# KiCad board AudioYM2151V2.kicad_pcb (continued)
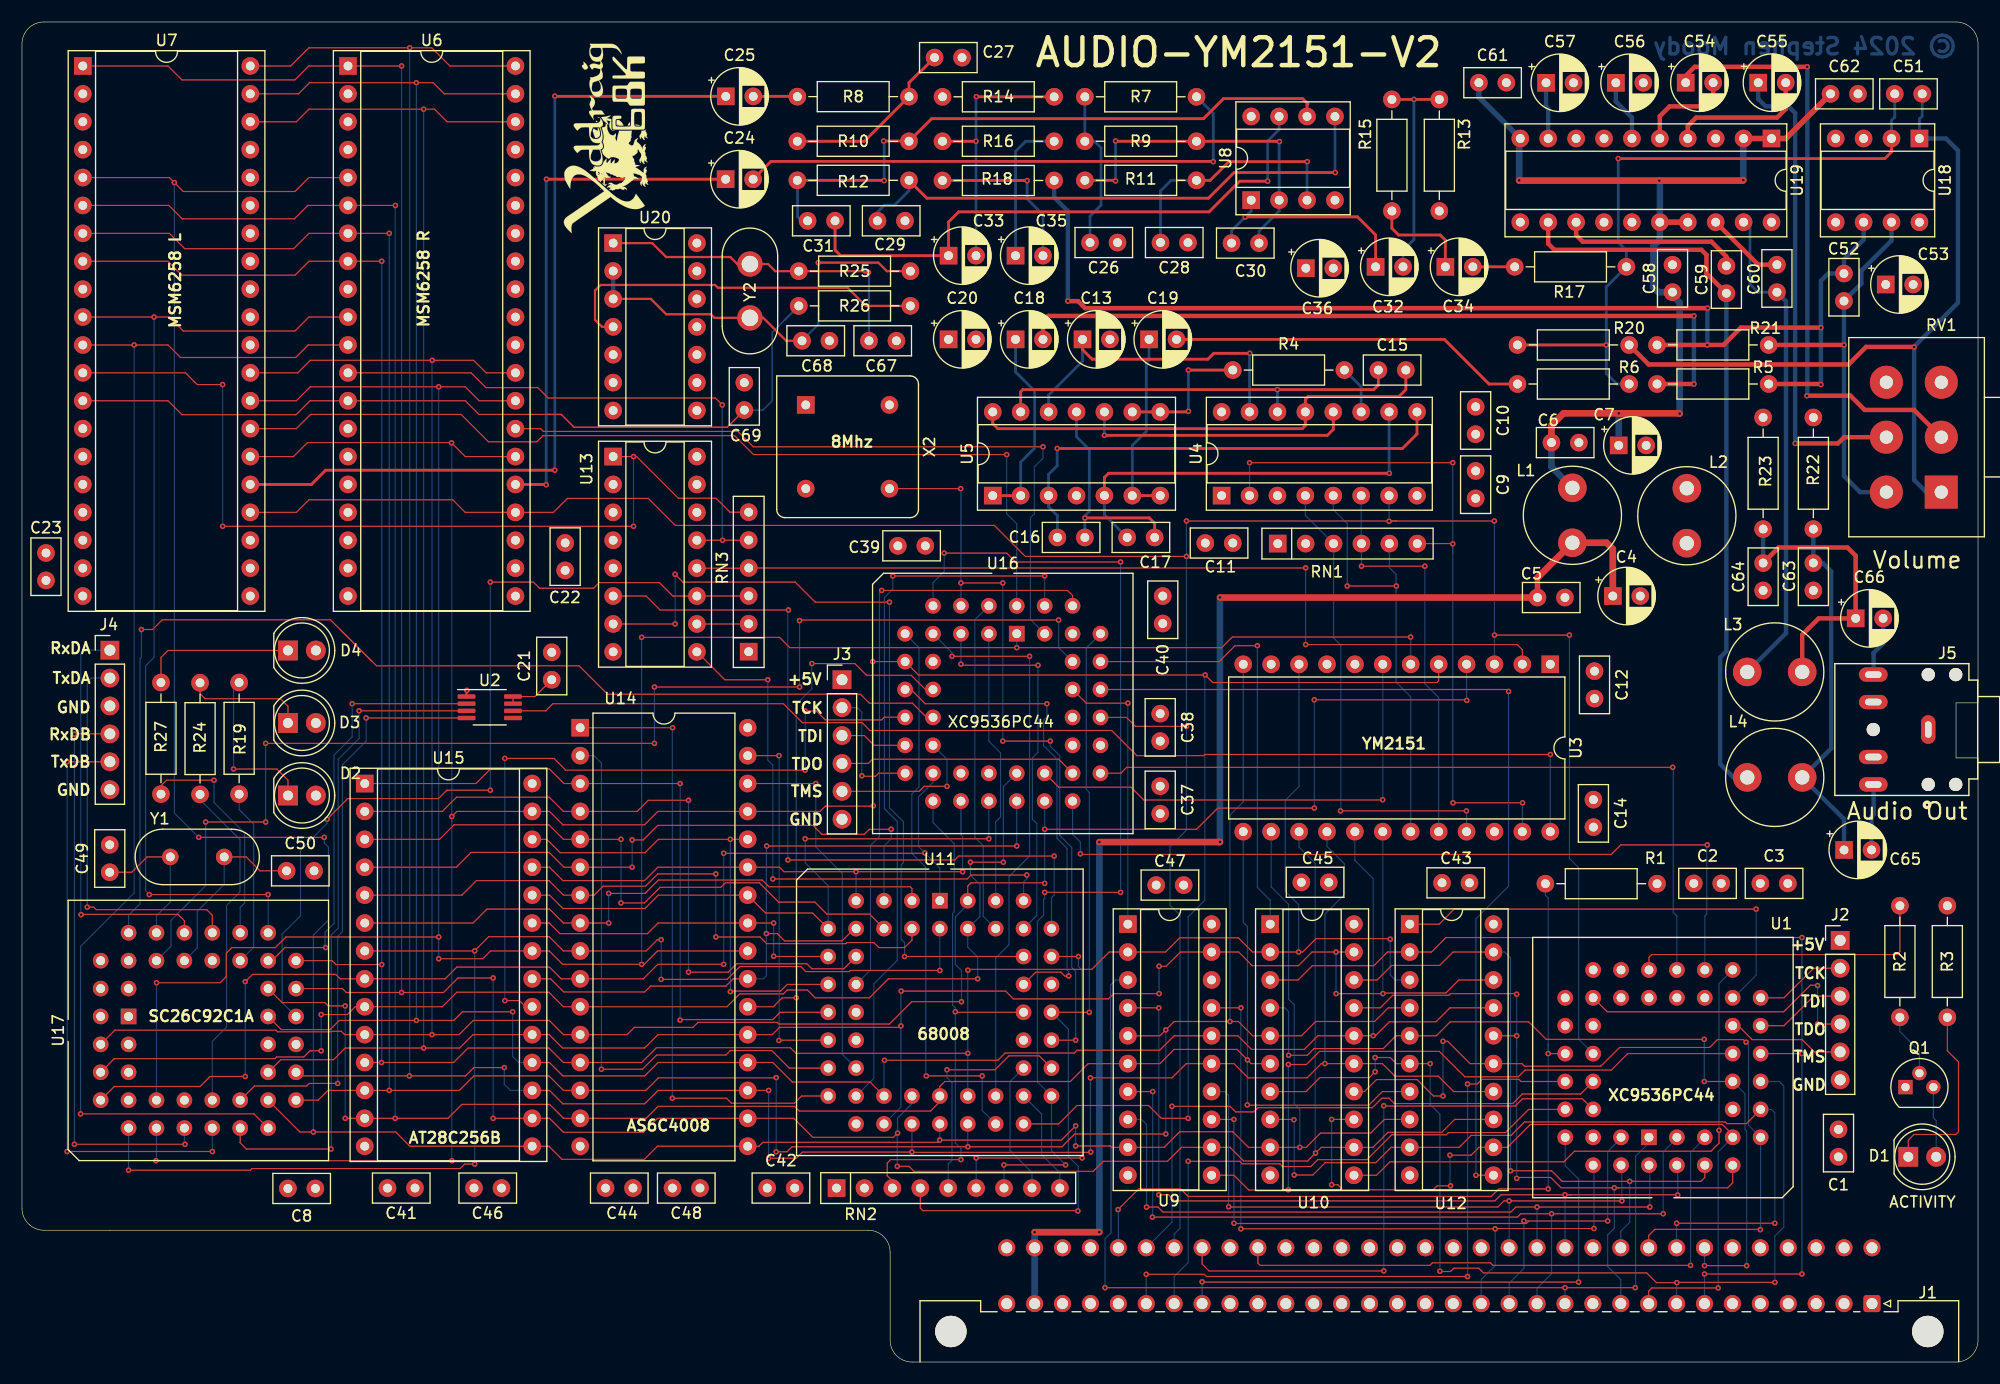
[diagram p0: board, top side]
## Nets
+5V: C1.1 C2.1 C3.1 C8.1 C9.1 C10.1 C11.1 C12.1 C14.1 C20.1 C21.1 C22.1 C23.1 C36.1 C37.1 C38.1 C39.1 C40.1 C41.1 C42.1 C43.1 C44.1 C45.1 C46.1 C47.1 C48.1 C53.1 D2.2 D3.2 D4.2 J1.A1 J1.A24 J1.C1 J2.1 J3.1 Q1.1 R1.2 RN1.1 RN2.1 RN3.1 U1.21 U1.32 U1.41 U2.7 U2.8 U3.22 U4.1 U5.4 U6.15 U6.20 U6.32 U6.34 U6.37 U7.15 U7.20 U7.32 U7.34 U7.37 U8.8 U9.20 U10.20 U11.15 U12.20 U13.2 U13.3 U13.4 U13.16 U14.32 U15.28 U16.21 U16.32 U16.41 U17.44 U18.8 U20.14 X2.1 X2.8
+12V: C4.1 C5.1 J1.A31 J1.C31 L1.2
+12VA: C6.1 C7.1 C58.1 C61.1 C62.1 L1.1 U19.1 U19.2 U19.10 U19.16 U19.17
GND: C1.2 C2.2 C3.2 C4.2 C5.2 C8.2 C11.2 C12.2 C14.2 C21.2 C22.2 C23.2 C37.2 C38.2 C39.2 C40.2 C41.2 C42.2 C43.2 C44.2 C45.2 C46.2 C47.2 C48.2 C49.2 C50.2 C67.2 C68.2 C69.2 J1.A2 J1.A11 J1.A32 J1.C11 J1.C24 J1.C29 J1.C32 J2.6 J3.6 J4.3 J4.6 L2.2 R3.2 U1.10 U1.23 U1.31 U2.1 U3.1 U3.11 U4.3 U6.4 U6.9 U6.16 U6.17 U6.18 U6.30 U6.33 U6.36 U7.4 U7.9 U7.16 U7.17 U7.18 U7.30 U7.33 U7.36 U9.10 U9.18 U10.10 U11.17 U11.39 U12.10 U13.5 U13.8 U14.16 U15.14 U16.10 U16.23 U16.31 U17.22 U20.5 U20.7 U20.9 U20.11 U20.13 X2.4
GNDA: C6.2 C7.2 C9.2 C10.2 C13.2 C16.1 C17.1 C20.2 C26.2 C27.2 C28.2 C29.2 C36.2 C53.2 C56.2 C57.2 C58.2 C61.2 C62.2 C63.1 C64.1 J5.1 L2.1 R13.1 R14.1 R22.2 R23.2 RV1.3 RV1.6 U4.8 U4.16 U5.11 U8.4 U18.3 U18.4 U18.5 U19.3 U19.7 U19.8 U19.11 U19.14 U19.15 U19.20
/A1: J1.A12 U1.1 U9.3
/A2: J1.C12 U1.2 U9.4
/A3: J1.A13 U1.3 U9.7
/A4: J1.C13 U1.44 U9.8
/A5: J1.A14 U1.43 U9.13
/A6: J1.C14 U1.42 U9.14
/A7: J1.A15 U1.40 U9.17
/Audio/Amplifier/MSM_AUDIO_L: C52.1 R5.2 R18.2 R21.1 U18.6
/Audio/Amplifier/MSM_AUDIO_R: C51.1 R6.2 R17.2 R20.1 U18.2
/Audio/CPU/CLK_8MHZ: U11.38 U16.4 X2.5
/Audio/CPU/CPU_A0: U3.4 U6.29 U7.29 U11.51 U14.12 U15.10 U16.26 U17.2
/Audio/CPU/CPU_A1: U11.52 U14.11 U15.9 U16.25 U17.4
/Audio/CPU/CPU_A2: U11.1 U14.10 U15.8 U16.19 U17.6
/Audio/CPU/CPU_A3: U11.2 U14.9 U15.7 U17.7
/Audio/CPU/CPU_A4: U11.3 U14.8 U15.6
/Audio/CPU/CPU_A5: U11.4 U14.7 U15.5
/Audio/CPU/CPU_A6: U11.5 U14.6 U15.4
/Audio/CPU/CPU_A7: U11.6 U14.5 U15.3
/Audio/CPU/CPU_A8: U11.7 U14.27 U15.25 U16.20
/Audio/CPU/CPU_A9: U11.8 U14.26 U15.24 U16.22
/Audio/CPU/CPU_A10: U11.9 U14.23 U15.21 U16.24
/Audio/CPU/CPU_A11: U11.10 U14.25 U15.23
/Audio/CPU/CPU_A12: U11.11 U14.4 U15.2
/Audio/CPU/CPU_A13: U11.12 U14.28 U15.26
/Audio/CPU/CPU_A14: U11.14 U14.3 U15.1
/Audio/CPU/CPU_A15: U11.16 U14.31
/Audio/CPU/CPU_A16: U11.18 U14.2
/Audio/CPU/CPU_A17: U11.19 U14.30
/Audio/CPU/CPU_A18: U11.20 U14.1
/Audio/CPU/CPU_A20: U11.22 U16.42
/Audio/CPU/CPU_A21: U11.13 U16.40
/Audio/CPU/CPU_D0: U3.10 U6.8 U7.8 U9.2 U10.2 U11.30 U12.3 U14.13 U15.11 U17.28
/Audio/CPU/CPU_D1: U3.12 U6.7 U7.7 U9.5 U10.5 U11.29 U12.4 U14.14 U15.12 U17.18
/Audio/CPU/CPU_D2: U3.13 U6.6 U7.6 U9.6 U10.6 U11.28 U12.7 U14.15 U15.13 U17.27
/Audio/CPU/CPU_D3: U3.14 U6.5 U7.5 U9.9 U10.9 U11.27 U12.8 U14.17 U15.15 U17.19
/Audio/CPU/CPU_D4: U3.15 U6.1 U7.1 U9.12 U10.12 U11.26 U12.13 U14.18 U15.16 U17.26
/Audio/CPU/CPU_D5: U3.16 U6.40 U7.40 U9.15 U10.15 U11.25 U12.14 U14.19 U15.17 U17.20
/Audio/CPU/CPU_D6: U3.17 U6.39 U7.39 U9.16 U10.16 U11.24 U12.17 U14.20 U15.18 U17.25
/Audio/CPU/CPU_D7: U3.18 U6.38 U7.38 U9.19 U10.19 U11.23 U12.18 U14.21 U15.19 U17.21
/Audio/CPU/FC0: U11.50 U16.2
/Audio/CPU/FC1: U11.49 U16.3
/Audio/CPU/FC2: U11.48 U16.5
/Audio/CPU/LATCH_STATUS: U12.11 U16.35
/Audio/CPU/MSMSAM1: U6.10 U7.10 U17.29
/Audio/CPU/MSMSAM2: U6.11 U7.11 U17.17
/Audio/CPU/RESET: U16.38 U17.38
/Audio/CPU/SPI_CLK: U2.3 U17.15
/Audio/CPU/SPI_MOSI: U2.2 U17.30
/Audio/CPU/~{AS}: U11.31 U16.7
/Audio/CPU/~{CS_DUART}: U16.14 U17.39
/Audio/CPU/~{CS_MSM_L}: U7.27 U16.44
/Audio/CPU/~{CS_MSM_R}: U6.27 U16.43
/Audio/CPU/~{CS_ROM}: U15.20 U16.13
/Audio/CPU/~{CS_SRAM}: U14.22 U16.12
/Audio/CPU/~{CS_YM2151}: U3.7 U16.27
/Audio/CPU/~{DS}: U11.32 U16.8
/Audio/CPU/~{DTACK}: RN2.7 U11.34 U16.6
/Audio/CPU/~{HALT}: RN2.4 U11.40 U16.39
/Audio/CPU/~{INT_HOST}: RN3.2 U13.10
/Audio/CPU/~{INT_MSM_L}: RN3.6 U7.12 U13.1
/Audio/CPU/~{INT_MSM_R}: RN3.5 U6.12 U13.13
/Audio/CPU/~{INT_SER}: RN3.3 U13.11 U17.24
/Audio/CPU/~{INT_YM2151}: RN3.4 U3.2 U13.12
/Audio/CPU/~{IPL0}: U11.47 U13.9
/Audio/CPU/~{IPL1}: U11.45 U13.7
/Audio/CPU/~{IPL2}: U11.46 U13.6
/Audio/CPU/~{RD}: U3.6 U6.28 U7.28 U14.24 U15.22 U16.1 U17.10
/Audio/CPU/~{READ_DATA}: U10.1 U16.37
/Audio/CPU/~{READ_REG}: U9.1 U16.36
/Audio/CPU/~{RESET}: RN2.3 U11.41 U16.18
/Audio/CPU/~{SPI_CS}: U2.4 U17.16
/Audio/CPU/~{VPA}: U11.43 U16.11
/Audio/CPU/~{WR}: U3.5 U6.26 U7.26 U11.33 U14.29 U15.27 U16.9 U17.9
/Audio/YM2151/BC: C15.2 U4.14 U5.13
/Audio/YM2151/CH1: C16.2 U4.9 U5.3
/Audio/YM2151/CH2: C17.2 U4.10 U5.5
/Audio/YM2151/MP: C15.1 U4.13 U5.14
/Audio/YM2151/RB: C13.1 U4.15 U5.12
/D0: J1.A7 U1.13 U10.3 U12.2
/D1: J1.C7 U1.12 U10.4 U12.5
/D2: J1.A8 U1.11 U10.7 U12.6
/D3: J1.C8 U1.9 U10.8 U12.9
/D4: J1.A9 U1.8 U10.13 U12.12
/D5: J1.C9 U1.7 U10.14 U12.15
/D6: J1.A10 U1.6 U10.17 U12.16
/D7: J1.C10 U1.4 U10.18 U12.19
/LATCH_DATA: U1.18 U10.11
/LATCH_REG: U1.14 U9.11
/LED: R2.2 U1.24
/R~{W}: J1.A26 U1.37
/SYS_CLK: J1.C23 U1.5
/~{ACK_68K}: U1.22 U16.29
/~{CS_68K}: U1.20 U16.28
/~{CS_DATA}: J1.C27 U1.36
/~{CS_REG}: J1.A27 U1.35
/~{DTACK}: J1.C28 R1.1 U1.33
/~{LDS}: J1.A25 U1.39
/~{READ_STATUS}: U1.19 U12.1
/~{RESET}: J1.C26 U1.34 U3.3 U4.7 U6.24 U7.24 U16.33
/~{UDS}: J1.C25 U1.38
Net-(C18-Pad2): C18.2 R5.1
Net-(C19-Pad2): C19.2 R6.1
Net-(C24-Pad2): C24.2 R7.2
Net-(C25-Pad2): C25.2 R8.1
Net-(C26-Pad1): C26.1 R7.1 R9.1
Net-(C27-Pad1): C27.1 R8.2 R10.1
Net-(C30-Pad1): C30.1 C32.1 U8.1
Net-(C31-Pad2): C31.2 C33.1 U8.7
Net-(C32-Pad2): C32.2 R13.2 R15.1
Net-(C33-Pad2): C33.2 R14.2 R16.1
Net-(C34-Pad1): C34.1 R15.2
Net-(C34-Pad2): C34.2 R17.1
Net-(C35-Pad1): C35.1 R16.2
Net-(C35-Pad2): C35.2 R18.1
Net-(C51-Pad2): C51.2 R20.2 RV1.1 U18.1
Net-(C52-Pad2): C52.2 R21.2 RV1.4 U18.7
Net-(C54-Pad1): C54.1 RV1.2
Net-(C55-Pad1): C55.1 RV1.5
Net-(C63-Pad2): C63.2 C65.1 L4.2 R22.1
Net-(C64-Pad2): C64.2 C66.1 L3.2 R23.1
Net-(C65-Pad2): C65.2 J5.3
Net-(C66-Pad2): C66.2 J5.2
Net-(C67-Pad1): C67.1 R25.1 U20.1 Y2.2
Net-(C68-Pad1): C68.1 R25.2 U20.2 U20.3 Y2.1
Net-(D1-A): D1.2 Q1.3
Net-(D1-K): D1.1 R3.1
Net-(D2-K): D2.1 R19.1
Net-(D3-K): D3.1 R24.1
Net-(D4-K): D4.1 R27.1
Net-(J2-Pin_2): J2.2 U1.17
Net-(J2-Pin_3): J2.3 U1.15
Net-(J2-Pin_4): J2.4 U1.30
Net-(J2-Pin_5): J2.5 U1.16
Net-(J3-Pin_2): J3.2 U16.17
Net-(J3-Pin_3): J3.3 U16.15
Net-(J3-Pin_4): J3.4 U16.30
Net-(J3-Pin_5): J3.5 U16.16
Net-(J4-Pin_1): J4.1 U17.35
Net-(J4-Pin_2): J4.2 U17.33
Net-(J4-Pin_4): J4.4 U17.11
Net-(J4-Pin_5): J4.5 U17.13
Net-(Q1-B): Q1.2 R2.1
Net-(R26-Pad2): R26.2 U20.4
Net-(RN1-R2): RN1.3 U3.21 U4.4
Net-(RN1-R3): RN1.4 U3.20 U4.6
Net-(RN1-R4): RN1.5 U3.19 U4.5
Net-(RN1-R5): RN1.6 U3.23 U4.2
Net-(RN2-R4): RN2.5 U11.36
Net-(RN2-R5): RN2.6 U11.44
Net-(RN2-R7): RN2.8 U11.37
Net-(RN2-R8): RN2.9 U11.35
Net-(U2-CLK): U2.6 U3.24
Net-(U4-COM): R4.2 U4.11
Net-(U4-ToBUFF): U4.12 U5.10
Net-(U5A--): C18.1 U5.1 U5.2
Net-(U5B--): C19.1 U5.6 U5.7
Net-(U5C--): R4.1 U5.8 U5.9
Net-(U6-DAOUT): C24.1 U6.25
Net-(U6-XT): C69.1 R26.1 U6.13 U7.13
Net-(U7-DAOUT): C25.1 U7.25
Net-(U8A-+): C28.1 R11.2 U8.3
Net-(U8A--): C30.2 R9.2 R11.1 U8.2
Net-(U8B-+): C29.1 R12.2 U8.5
Net-(U8B--): C31.1 R10.2 R12.1 U8.6
Net-(U17-OP0): R19.2 U17.32
Net-(U17-OP1): R24.2 U17.14
Net-(U17-OP2): R27.2 U17.31
Net-(U17-X1/CLK): C50.1 U17.36 Y1.2
Net-(U17-X2): C49.1 U17.37 Y1.1
Net-(U19-BSL): C60.2 U19.18
Net-(U19-BSR): C59.2 U19.13
Net-(U19-BYPASS): C56.1 U19.6
Net-(U19-LIN): C55.2 U19.4
Net-(U19-LOUT): C60.1 L3.1 U19.19
Net-(U19-RIN): C54.2 U19.5
Net-(U19-ROUT): C59.1 L4.1 U19.12
Net-(U19-VCLAMP): C57.1 U19.9

Pads without a net: J1 A3 A4 A5 A6 A16 A17 A18 A19 A20 A21 A22 A23 A28 A29 A30 C2 C3 C4 C5 C6 C15 C16 C17 C18 C19 C20 C21 C22 C30; J5 10 11; RN1 2; RN2 2; U1 25 26 27 28 29; U2 5; U3 8 9; U6 2 3 14 19 21 22 23 31 35; U7 2 3 14 19 21 22 23 31 35; U11 21 42; U13 14 15; U16 34; U17 1 3 5 8 12 23 34 40 41 42 43; U20 6 8 10 12

## Via types
v1: diameter 0.5, hole 0.25, Top to Bottom, 379 vias

## Routing (per net, layer and track width the routed paths; a pad name or vN(x,y) marks a point on that pad's centre or on a via; arc(x,y) is an arc through that point)
+5V: length 4.8
  Top w0.102: U2.7 U2.8 46.68,60.58 C21.1
+12V: length 124.5
  Top w0.5: 109.02,69.6 v1(109.02,69.61) ; C5.1 137.91,71.41
  Top w0.6: v1(98.04,47.33) 108.99,47.33 v1(109.02,47.36) ; 109.02,69.6 C5.1 ; C4.1 144.77,74.01 144.2,74.59 L1.2 137.91,71.41 ; v1(92.15,11.82) v1(98.04,11.82)
  Bottom w0.6: v1(98.04,11.82) v1(98.04,47.33) ; v1(109.02,47.36) v1(109.02,69.61) ; v1(92.15,11.82) J1.C31 J1.A31
+12VA: length 92.1
  Top w0.5: U19.16 U19.17 ; C62.1 160.52,111.39 U19.1 U19.2
  Top w0.6: C6.1 139.18,85.24 139.17,85.26 140.28,86.37 145.82,86.37 ; v1(145.31,86.37) 145.82,86.37 ; 145.82,86.37 150.82,86.37 v1(150.85,86.35) ; v1(156.64,107.61) 156.59,107.56 v1(149,107.56) 136.27,107.56 v1(136.24,107.58)
  Bottom w0.5: C61.1 132.58,115.16 U19.10
  Bottom w0.6: v1(149,107.56) 149.05,107.51 U19.16 149.05,102.17 148.46,101.59 148.46,97.9 148.44,97.88 148.92,97.4 C58.1 150.2,97.11 150.85,96.46 v1(150.85,86.35) ; v1(145.31,86.37) 145.3,86.36 C7.1 ; v1(136.24,107.58) 136.24,111.29 U19.10 ; L1.1 139.18,81.49 C6.1 ; v1(156.64,107.61) 156.64,111.37 U19.2
GND: length 0.6
  Top w0.203: U2.1 40.46,61.12 v1(40.49,61.15)
GNDA: length 19.9
  Top w0.254: C17.1 103.07,76.37 102.59,76.85 v1(96.72,76.85)
  Bottom w0.254: C16.1 v1(96.72,76.85) 96.72,77.03 97.13,77.43 97.13,83.07 95.96,84.24 U5.11
/A1: length 93.5
  Top w0.102: v1(146.81,6.77) v1(140.41,6.77) v1(98.55,6.77)
  Bottom w0.102: J1.A12 v1(140.41,6.77) ; v1(146.81,6.77) 146.84,6.77 146.84,18.73 148.13,20.03 148.13,20.46 ; v1(98.55,6.77) 98.55,11.21 99.11,11.77 99.11,30.16 99.06,30.21 99.06,34.33 99.52,34.79 U9.3
/A2: length 75.7
  Top w0.102: 140.99,15.23 v1(140.41,15.23) ; 140.99,15.23 134.59,15.23 134.03,14.67 104.9,14.67 104.34,15.23 v1(103.45,15.23) ; 140.99,15.23 150.65,15.23 v1(150.67,15.2) ; v1(103.45,32.25) U9.4
  Bottom w0.102: 150.67,17.92 v1(150.67,15.2) ; v1(140.41,15.23) J1.C12 ; v1(103.45,15.23) v1(103.45,32.25)
/A3: length 76.5
  Top w0.102: v1(102.87,13.2) 136.09,13.2 136.4,13.5 v1(139.19,13.5) v1(149.35,13.5) ; v1(102.89,24.63) U9.7
  Bottom w0.102: v1(139.19,13.5) 139.19,8.04 137.87,6.72 J1.A13 ; v1(102.87,13.2) 102.89,13.22 v1(102.89,24.63) ; v1(149.35,13.5) 149.35,19.14 150.67,20.46
/A4: length 63.1
  Top w0.102: v1(148.13,14.11) v1(137.87,14.11) 135.94,14.11 135.48,13.65 103.83,13.65 103.38,14.11 v1(102.34,14.11)
  Bottom w0.102: 148.13,17.92 v1(148.13,14.11) ; v1(102.34,14.11) 102.34,21.63 101.88,22.09 U9.8 ; v1(137.87,14.11) J1.C13
/A5: length 62.3
  Top w0.102: v1(110.29,22.09) U9.13 ; v1(144.3,12.84) 137.13,12.84 ; 137.13,12.84 v1(136.68,12.84) ; 137.13,12.84 136.9,12.61 110.31,12.61 v1(110.29,12.64)
  Bottom w0.102: v1(136.68,12.84) 136.68,8.52 135.33,7.18 J1.A14 ; v1(144.3,12.84) 144.3,19.16 145.59,20.46 ; v1(110.29,12.64) v1(110.29,22.09)
/A6: length 55.4
  Top w0.102: v1(109.8,14.14) 109.83,14.11 134.3,14.11 134.86,14.67 v1(135.33,14.67) v1(145.59,14.67)
  Bottom w0.102: v1(109.8,14.14) 109.8,24.27 109.45,24.63 U9.14 ; 145.59,17.92 v1(145.59,14.67) ; v1(135.33,14.67) J1.C14
/A7: length 68
  Top w0.102: v1(110.92,12.13) v1(134.06,12.13) 134.09,12.15 v1(143.05,12.15) ; v1(110.92,32.25) U9.17
  Bottom w0.102: v1(110.92,12.13) v1(110.92,32.25) ; 143.05,17.92 v1(143.05,12.15) ; v1(134.06,12.13) 134.06,8.78 132.79,7.51 J1.A15
/Audio/Amplifier/MSM_AUDIO_L: length 110.9
  Top w0.4: v1(163.7,88.99) 163.65,89.04 R5.2 ; v1(95.17,96.58) 96.11,96.58 96.75,95.95 v1(153.39,95.95) ; R21.1 v1(153.36,92.6) 154.84,92.6 156.41,94.17 v1(163.7,94.17)
  Bottom w0.4: R18.2 93.93,106.03 95.17,104.79 v1(95.17,96.58) ; v1(163.7,88.99) v1(163.7,94.17) 163.7,98.44 164.36,99.1 C52.1 165.8,100.38 167.59,102.17 U18.6 ; v1(153.39,95.95) 153.36,95.92 v1(153.36,92.6)
/Audio/Amplifier/MSM_AUDIO_R: length 61.7
  Top w0.254: R20.1 v1(144.17,92.6) ; U18.2 170.13,110.17 169.52,109.56 v1(145.26,109.56)
  Bottom w0.254: C51.1 170.42,113.34 170.13,113.04 U18.2 ; v1(145.26,109.56) 145.26,101.94 146,101.21 R17.2 144.17,97.88 v1(144.17,92.6) 144.17,90.01 145.13,89.04 R6.2
/Audio/CPU/CLK_8MHZ: length 70.1
  Top w0.102: U11.38 v1(95.88,29.3) ; v1(93.57,56.53) v1(89.25,56.53) ; v1(85.42,79.52) X2.5 ; v1(89.25,70.93) v1(85.44,70.93)
  Bottom w0.102: v1(93.57,56.53) 93.57,56.07 94.44,55.21 94.44,47.94 95.53,46.85 95.53,35.93 95.88,35.57 v1(95.88,29.3) ; v1(85.42,79.52) 85.44,79.49 v1(85.44,70.93) U16.4 ; v1(89.25,56.53) v1(89.25,70.93)
/Audio/CPU/CPU_A0: length 246.2
  Top w0.102: v1(131.47,60.24) 131.42,60.29 v1(117.6,60.29) ; U17.2 8.45,30.21 23.11,30.21 23.26,30.06 28.12,30.06 28.17,30.11 29.06,30.11 29.36,29.81 U15.10 v1(37.31,29.81) 39.78,29.81 41.07,31.1 47.98,31.1 49.27,29.81 U14.12 55.07,29.81 55.73,30.47 61.06,30.47 61.52,30.92 68.73,30.92 68.88,30.77 78.94,30.77 80.97,32.8 v1(85.5,32.8) ; U7.29 25.09,90.06 26.24,91.2 v1(37.34,91.2) 41.1,91.2 42.24,90.06 U6.29 ; v1(93.06,48.5) 106.88,48.5 108.81,50.43 v1(117.6,50.43) ; U11.51 86.06,43.33 86.36,43.62 93.01,43.62 v1(93.06,43.57)
  Bottom w0.102: v1(37.31,29.81) 37.31,91.17 v1(37.34,91.2) ; U11.51 86.06,41.65 84.94,40.53 84.94,36.21 85.5,35.65 v1(85.5,32.8) ; 131.46,63.53 131.46,60.25 v1(131.47,60.24) ; v1(93.06,43.57) v1(93.06,48.5) U16.26 ; v1(117.6,50.43) v1(117.6,60.29)
/Audio/CPU/CPU_A1: length 110.4
  Top w0.102: U17.4 8.4,27.62 23.01,27.62 23.16,27.78 25.65,27.78 26.21,28.33 v1(27.23,28.33) ; v1(89.31,45.5) v1(86.31,45.5) ; v1(86.97,34.89) 78.84,34.89 77.11,33.16 72.19,33.16 71.47,33.87 69.65,33.87 69.29,33.52 65.33,33.52 64.16,32.35 U14.11 49.27,32.35 47.95,33.67 39.57,33.67 38.25,32.35 U15.9 30.33,32.35 29.62,31.64 v1(27.23,31.64)
  Bottom w0.102: v1(89.31,45.5) 89.31,52.39 U16.25 ; v1(86.97,34.89) 86.97,36.87 86.06,37.77 U11.52 87.17,40.57 87.17,43.47 86.31,44.34 v1(86.31,45.5) ; v1(27.23,28.33) v1(27.23,31.64)
/Audio/CPU/CPU_A2: length 109.5
  Top w0.102: v1(20.32,34.63) 20.98,35.29 28.55,35.29 28.95,34.89 U15.8 38.51,34.89 39.57,35.95 48,35.95 49.07,34.89 U14.10 56.54,34.89 57.86,36.21 v1(63.85,36.21) ; U17.6 8.4,25.08 16.2,25.08 17.12,26 v1(20.32,26) ; v1(63.85,46.32) 82.14,46.32 v1(82.17,46.34)
  Bottom w0.102: v1(63.85,36.21) v1(63.85,46.32) ; U11.1 83.52,44.99 v1(82.17,46.34) 81.58,46.93 81.58,51.45 82.9,52.77 U16.19 ; v1(20.32,26) v1(20.32,34.63)
/Audio/CPU/CPU_A3: length 116.9
  Top w0.102: U15.7 v1(41.2,37.43) 41.2,37.45 42.47,38.72 47.98,38.72 49.27,37.43 U14.9 56.79,37.43 57.81,38.44 v1(58.16,38.44) ; v1(41.2,18.02) 40.28,18.02 39.88,17.62 20.93,17.62 20.78,17.46 v1(9.7,17.46) ; v1(58.16,34.84) 64.16,34.84 65.33,36 70.86,36 71.32,35.55 75.28,35.55 75.39,35.65 v1(83.52,35.65)
  Bottom w0.102: v1(83.52,35.65) U11.2 ; v1(9.7,17.46) 9.7,17.46 U17.7 ; v1(58.16,34.84) v1(58.16,38.44) ; v1(41.2,18.02) v1(41.2,37.43)
/Audio/CPU/CPU_A4: length 55.5
  Top w0.102: v1(53.39,42.66) 56.69,42.66 57.91,43.88 67.36,43.88 67.97,43.27 80.83,43.27 80.98,43.12 U11.3 ; U15.6 41.05,39.97 42.32,41.24 48,41.24 49.27,39.97 U14.8 v1(53.39,39.97)
  Bottom w0.102: v1(53.39,42.66) v1(53.39,39.97)
/Audio/CPU/CPU_A5: length 59.2
  Top w0.102: U11.4 80.98,38.4 80.31,37.73 77.98,37.73 77.52,38.19 75.08,38.19 74.98,38.09 67.77,38.09 67.16,38.7 v1(63.14,38.7) ; v1(63.14,44.44) 57.86,44.44 56.74,43.32 52.88,43.32 52.07,42.51 U14.7 49.27,42.51 47.95,43.83 41.35,43.83 40.03,42.51 U15.5
  Bottom w0.102: v1(63.14,38.7) v1(63.14,44.44)
/Audio/CPU/CPU_A6: length 59.4
  Top w0.102: v1(55.52,45.05) U14.6 49.33,45.05 47.98,46.39 40.87,46.39 39.52,45.05 U15.4 ; v1(55.52,47.54) 56.54,47.54 57.86,48.86 71.98,48.86 72.8,48.04 76.66,48.04 77.11,48.5 v1(79.09,48.5)
  Bottom w0.102: U11.5 78.44,46.99 79.09,47.64 v1(79.09,48.5) ; v1(55.52,47.54) v1(55.52,45.05)
/Audio/CPU/CPU_A7: length 56.6
  Top w0.102: v1(54.51,41.8) 56.64,41.8 58.06,43.22 63.6,43.22 64.01,43.62 67.11,43.62 68.86,41.87 72.16,41.87 73.25,40.78 77.12,40.78 U11.6 ; v1(54.51,47.59) U14.5 49.27,47.59 47.95,48.91 39.32,48.91 38,47.59 U15.3
  Bottom w0.102: v1(54.51,41.8) v1(54.51,47.59)
/Audio/CPU/CPU_A8: length 49.5
  Top w0.102: U15.25 48,45.05 49.22,43.83 56.64,43.83 57.86,45.05 U14.27 68.93,45.05 69.34,44.64 v1(75.89,44.64) v1(85.6,44.64)
  Bottom w0.102: v1(75.89,44.64) 75.9,44.63 U11.7 ; U16.20 85.44,47.99 85.6,47.84 v1(85.6,44.64)
/Audio/CPU/CPU_A9: length 58.4
  Top w0.102: U15.24 48,42.51 49.22,41.29 56.69,41.29 57.91,42.51 U14.26 67.66,40.88 71.94,40.88 U11.8 ; v1(71.27,47.64) v1(87.98,47.64)
  Bottom w0.102: v1(87.98,47.64) U16.22 ; v1(71.27,47.64) 71.27,45.45 73.36,43.36 U11.8
/Audio/CPU/CPU_A10: length 70
  Top w0.102: U15.21 48.11,34.89 49.3,33.69 56.67,33.69 57.2,34.23 64.06,34.23 64.72,34.89 U14.23 ; U11.9 75.75,39.46 74.63,38.34 69.39,38.34 68.73,39 v1(67.74,39) ; v1(67.77,46.98) v1(90.52,46.98)
  Bottom w0.102: v1(67.77,46.98) 67.74,46.95 v1(67.74,39) 67.74,35.17 67.46,34.89 U14.23 ; v1(90.52,46.98) U16.24
/Audio/CPU/CPU_A11: length 30.8
  Top w0.102: U11.10 68.43,36.92 v1(68.4,36.94) ; v1(68.4,39.97) U14.25 57.89,39.97 56.92,39 48.94,39 47.98,39.97 U15.23
  Bottom w0.102: v1(68.4,36.94) v1(68.4,39.97)
/Audio/CPU/CPU_A12: length 62.8
  Top w0.102: v1(60.65,51.14) 57,51.14 55.98,50.13 U14.4 49.27,50.13 47.98,51.42 39.55,51.42 38.25,50.13 U15.2 ; v1(60.65,35.5) 64.26,35.5 65.02,36.26 71.42,36.26 71.88,35.8 74.79,35.8 U11.11
  Bottom w0.102: v1(60.65,35.5) v1(60.65,51.14)
/Audio/CPU/CPU_A13: length 43.7
  Top w0.102: U11.12 69.65,34.38 69.04,33.77 64.51,33.77 v1(64.46,33.72) ; U15.26 47.75,47.59 48.97,46.37 56.69,46.37 57.91,47.59 v1(64.46,47.59) U14.28
  Bottom w0.102: v1(64.46,33.72) v1(64.46,47.59)
/Audio/CPU/CPU_A14: length 65.1
  Top w0.102: U15.1 41.3,52.67 42.62,53.99 48,53.99 49.33,52.67 U14.3 v1(59.89,52.67) ; U11.14 68.99,31.84 68.32,31.18 59.94,31.18 v1(59.89,31.13)
  Bottom w0.102: v1(59.89,31.13) v1(59.89,52.67)
/Audio/CPU/CPU_A15: length 33.3
  Top w0.102: v1(68.88,55.21) U14.31 ; U11.16 68.91,29.3 v1(68.88,29.27)
  Bottom w0.102: v1(68.88,29.27) 68.91,29.3 68.91,55.18 v1(68.88,55.21)
/Audio/CPU/CPU_A16: length 52.1
  Top w0.102: v1(52.73,26.66) 56.46,26.66 57.76,27.95 64.06,27.95 64.46,28.36 68.22,28.36 69.82,26.76 U11.18
  Bottom w0.102: v1(52.73,26.66) 52.73,54.52 52.04,55.21 U14.2
/Audio/CPU/CPU_A17: length 33.6
  Top w0.102: v1(72.24,52.67) U14.30
  Bottom w0.102: U11.19 74.65,28.01 74.65,44.49 72.24,46.9 v1(72.24,52.67)
/Audio/CPU/CPU_A18: length 56.8
  Top w0.102: U11.20 70.94,24.22 70.28,23.56 64.57,23.56 64.11,24.02 v1(59.18,24.02) ; v1(59.21,57.75) U14.1
  Bottom w0.102: v1(59.18,24.02) 59.18,57.72 v1(59.21,57.75)
/Audio/CPU/CPU_A20: length 66.2
  Top w0.102: v1(79.25,71.56) v1(93.06,71.56)
  Bottom w0.102: v1(79.25,71.56) 79.25,70.37 78.48,69.61 78.48,50.38 79.65,49.21 79.65,36.56 77.52,34.43 77.52,25.83 U11.22 ; v1(93.06,71.56) U16.42
/Audio/CPU/CPU_A21: length 55.3
  Top w0.102: U16.40 95.6,69.79 95.15,70.24 v1(78.23,70.24)
  Bottom w0.102: v1(78.23,70.24) 78.03,70.04 78.03,47.84 77.21,47.03 77.21,35.69 U11.13
/Audio/CPU/CPU_D0: length 250.5
  Top w0.102: U7.8 13.28,100.22 14.55,98.95 24.84,98.95 26.11,100.22 U6.8 v1(32.74,100.22) ; U15.11 v1(32.71,27.27) 39.27,27.27 40.59,28.59 47.95,28.59 49.27,27.27 U14.13 56.39,27.27 57.73,28.61 69.93,28.61 70.43,28.11 v1(86.06,28.11) ; v1(86.08,35.67) 86.16,35.75 97.36,35.75 98.93,37.33 U9.2 104.06,37.33 105.36,38.62 110.69,38.62 111.99,37.33 U10.2 v1(116.18,37.33) 116.53,37.33 117.75,38.54 124.46,38.54 v1(124.51,38.49) ; v1(32.74,36.18) 28.57,36.18 28.22,36.54 U17.28
  Bottom w0.102: v1(86.08,35.67) 86.06,35.66 v1(86.06,28.11) U11.30 ; v1(32.71,27.27) 32.74,27.29 v1(32.74,36.18) v1(32.74,100.22) ; v1(124.51,38.49) 124.51,35.24 124.97,34.79 U12.3 ; v1(116.18,37.33) 116.18,41.64 114.96,42.86 114.96,51.14 116.22,52.4 116.22,63.53
/Audio/CPU/CPU_D1: length 268
  Top w0.102: v1(68.63,25.9) 68.6,25.87 57.91,25.87 56.77,24.73 U14.14 49.27,24.73 47.95,26.05 41.12,26.05 39.8,24.73 v1(33.43,24.73) U15.12 27.84,24.73 26.95,23.84 U17.18 ; U12.4 124.33,32.25 123.09,31 117.73,31 116.43,29.71 U10.5 111.99,29.71 110.69,31 v1(109.93,31) 104.85,31 v1(104.09,30.24) 103.55,29.71 U9.5 ; U7.7 13.41,102.76 14.81,101.36 24.71,101.36 26.11,102.76 U6.7 v1(33.43,102.76) ; v1(104.09,20.76) 95.81,20.76 94.64,19.6 v1(86.08,19.6) 70.08,19.6 69.62,19.14 v1(68.63,19.14)
  Bottom w0.102: U3.12 111.13,51 109.93,49.8 v1(109.93,31) ; v1(33.43,24.73) v1(33.43,102.76) ; v1(68.63,25.9) v1(68.63,19.14) ; v1(104.09,20.76) v1(104.09,30.24) ; U11.29 86.06,19.61 v1(86.08,19.6)
/Audio/CPU/CPU_D2: length 260.4
  Top w0.102: v1(111.5,23.41) 111.53,23.38 122.55,23.38 123.8,24.63 U12.7 ; v1(29.41,22.19) U15.13 38.76,22.19 40.03,23.46 48,23.46 49.27,22.19 U14.15 56.79,22.19 57.89,23.28 70.31,23.28 70.74,22.85 82.68,22.85 83.52,23.7 U11.28 83.52,25.09 83.97,25.54 95.4,25.54 97.03,27.17 U9.6 103.55,27.17 104.85,28.46 110.56,28.46 v1(111.52,27.51) 111.86,27.17 U10.6 ; U17.27 23.67,32.73 27.56,32.73 27.86,32.42 v1(29.41,32.42) ; U7.6 13.36,105.3 14.58,104.08 24.79,104.08 26.01,105.3 U6.6 v1(33.98,105.3)
  Bottom w0.102: v1(111.5,23.41) 111.5,27.5 v1(111.52,27.51) 111.52,39.64 111.13,40.02 111.13,48.28 ; v1(33.96,22.19) 33.96,105.27 v1(33.98,105.3) ; v1(29.41,32.42) v1(29.41,22.19)
/Audio/CPU/CPU_D3: length 267.5
  Top w0.102: v1(95.88,21.5) 94.59,20.21 v1(83.51,20.21) 83.31,20 67.42,20 67.06,19.65 U14.17 57.83,19.65 56.64,18.45 49.15,18.45 47.95,19.65 U15.15 35.3,19.65 34.01,20.94 v1(26.52,20.94) 25.3,20.94 U17.19 ; v1(95.88,19.67) 99.06,19.67 99.19,19.55 U9.9 103.94,19.55 105.36,20.97 110.18,20.97 111.61,19.55 U10.9 v1(116.28,19.55) 116.86,19.55 118.16,20.84 122.73,20.84 123.98,22.09 U12.8 ; U7.5 13.41,107.84 v1(13.87,107.38) 14.68,106.57 24.84,106.57 26.11,107.84 U6.5 ; v1(16.08,47.77) v1(27.51,47.77)
  Bottom w0.102: v1(83.51,20.21) 83.52,20.22 U11.27 ; 113.68,48.28 113.68,43.26 115.26,41.67 115.26,33.03 115.77,32.53 115.77,23.51 116.28,23 v1(116.28,19.55) ; v1(13.87,107.38) 13.87,49.97 v1(16.08,47.77) ; v1(95.88,21.5) v1(95.88,19.67) ; v1(27.51,47.77) 27.51,47.26 27.89,46.88 27.89,40.25 26.52,38.88 v1(26.52,20.94)
/Audio/CPU/CPU_D4: length 278.8
  Top w0.102: U12.13 130.38,22.09 129.21,20.92 124.31,20.92 122.93,19.55 U10.12 118.24,19.55 v1(117.72,19.02) 116.99,18.3 111.17,18.3 109.93,19.55 U9.12 105.51,19.55 104.24,18.28 98.4,18.28 97.48,17.36 81.18,17.36 80.72,17.82 v1(79.65,17.82) ; v1(79.68,20.84) 79.3,20.46 71.96,20.46 70.23,22.19 U14.18 57.83,22.19 56.56,20.92 49.27,20.92 48,22.19 U15.16 v1(42.87,22.19) ; U17.26 29.16,34 29.51,33.64 v1(34.54,33.64) 38.35,33.64 39.67,34.96 v1(42.87,34.96) ; v1(34.54,118) U6.1 26.11,118 24.84,116.73 14.55,116.73 13.28,118 U7.1
  Bottom w0.102: v1(79.65,17.82) 79.65,20.82 v1(79.68,20.84) 79.68,22.21 80.98,23.52 U11.26 ; v1(34.54,33.64) v1(34.54,118) ; v1(117.72,19.02) 117.68,19.06 117.68,45.41 116.22,46.88 116.22,48.28 ; v1(42.87,34.96) v1(42.87,22.19)
/Audio/CPU/CPU_D5: length 272.3
  Top w0.102: U6.40 38.94,118 37.29,119.65 v1(35.28,119.65) 26.11,119.65 24.46,118 U7.40 ; v1(67.94,18.56) 70.46,18.56 71.02,19.11 v1(80.98,19.11) 81.01,19.09 97.23,19.09 v1(97.26,19.11) ; v1(43.89,26.81) 41.12,26.81 40.36,26.05 v1(35.25,26.05) 25.27,26.05 U17.20 ; U12.14 130.28,24.63 128.88,26.02 124.94,26.02 123.8,27.17 U10.15 v1(118.57,27.17) 118.24,27.17 116.94,25.87 111.58,25.87 110.29,27.17 U9.15 105.94,27.17 104.65,25.87 v1(97.23,25.87) ; v1(67.94,24.73) U14.19 57.89,24.73 56.67,23.51 49.22,23.51 48,24.73 U15.17
  Bottom w0.102: v1(80.98,19.11) U11.25 ; v1(97.23,25.87) 97.23,19.14 v1(97.26,19.11) ; v1(67.94,18.56) v1(67.94,24.73) ; v1(35.28,119.65) 35.28,26.07 v1(35.25,26.05) ; v1(43.89,26.81) 43.89,25.29 44.45,24.73 U15.17 ; v1(118.57,27.17) 118.57,40.78 120.34,42.56 120.34,45.35 118.75,46.94 118.75,48.28
/Audio/CPU/CPU_D6: length 255.1
  Top w0.102: U17.25 23.6,30.26 28.04,30.26 28.88,31.1 v1(35.89,31.1) 39.29,31.1 40.08,31.89 v1(44.65,31.89) ; U15.18 48,27.27 49.22,26.05 56.67,26.05 57.89,27.27 U14.20 68.32,27.27 70.1,25.49 77.17,25.49 U11.24 ; U7.39 25.16,115.46 26.17,116.47 v1(35.89,116.47) 37.41,116.47 38.43,115.46 U6.39 ; v1(78.48,27.47) 88.8,27.47 89.46,28.13 95.76,28.13 96.01,28.38 103.53,28.38 104.85,29.71 U9.16 110.64,29.71 111.89,28.46 116.69,28.46 117.93,29.71 U10.16 v1(122.96,29.71) 123.16,29.71 124.43,30.98 128.68,30.98 129.95,32.25 U12.17
  Bottom w0.102: 121.29,48.28 121.29,45.67 122.96,44.01 v1(122.96,29.71) ; v1(35.89,31.1) v1(35.89,116.47) ; U11.24 78.44,27.43 v1(78.48,27.47) ; v1(44.65,31.89) 44.65,27.83 45.21,27.27 U15.18
/Audio/CPU/CPU_D7: length 262.8
  Top w0.102: U6.38 38.68,112.92 37.54,114.06 v1(36.55,114.06) 26.11,114.06 24.97,112.92 U7.38 ; v1(80.01,33.77) 89.51,33.77 90.22,33.06 98.86,33.06 99.34,33.54 v1(103.48,33.54) ; v1(103.48,36.03) 104.11,36.03 105.41,37.33 U9.19 110.72,37.33 111.96,36.08 116.15,36.08 117.4,37.33 v1(119.58,37.33) U10.19 ; v1(79.98,30.59) 79.86,30.47 68.93,30.47 68.27,29.81 U14.21 57.89,29.81 56.67,28.59 49.2,28.59 47.98,29.81 U15.19 41.05,29.81 39.83,28.59 v1(36.55,28.59) 29.41,28.59 28.35,27.52 23.54,27.52 U17.21 ; U12.18 130.76,34.79 129.56,33.59 123.9,33.59 v1(123.85,33.54) v1(119.58,33.54)
  Bottom w0.102: v1(80.01,33.77) 79.98,33.74 v1(79.98,30.59) 79.98,23.22 U11.23 ; v1(103.48,33.54) v1(103.48,36.03) ; 123.84,48.28 123.84,33.56 v1(123.85,33.54) ; v1(36.55,28.59) v1(36.55,114.06) ; v1(119.58,33.54) v1(119.58,37.33)
/Audio/CPU/FC0: length 30.7
  Bottom w0.102: U16.2 86.71,67.58 86.71,47.77 87.48,47 87.48,40.59 U11.50
/Audio/CPU/FC1: length 24.9
  Bottom w0.102: U16.3 87.98,56.53 89.05,55.46 89.05,49.62 88.6,49.17 U11.49
/Audio/CPU/FC2: length 34.7
  Top w0.102: v1(92.45,63.44) 85.55,63.44 v1(85.44,63.54)
  Bottom w0.102: v1(92.45,63.44) 92.45,55.51 91.95,55 91.95,49.42 92.35,49.01 92.35,40.67 U11.48 ; v1(85.44,63.54) U16.5
/Audio/CPU/LATCH_STATUS: length 84.1
  Top w0.102: U16.35 135.1,61.23 v1(135.28,61.05) ; U12.11 v1(132.31,17.01)
  Bottom w0.102: v1(135.28,61.05) 135.28,43.32 132.31,40.35 v1(132.31,17.01)
/Audio/CPU/MSMSAM1: length 92.5
  Top w0.102: v1(22.4,42.56) v1(11.58,42.56) ; U6.10 26.11,95.14 24.84,93.87 14.68,93.87 13.41,95.14 v1(12.01,95.14) U7.10
  Bottom w0.102: v1(11.58,42.56) 11.25,42.89 11.25,63.39 12.01,64.15 v1(12.01,95.14) ; v1(22.4,42.56) 22.4,42.56 U17.29
/Audio/CPU/MSMSAM2: length 114.7
  Top w0.102: U7.11 v1(10.21,92.6) 13.28,92.6 14.43,91.45 24.9,91.45 26.05,92.6 U6.11 ; U17.17 21.11,22.59 v1(5.33,22.59)
  Bottom w0.102: v1(5.33,22.59) 5.33,37.83 10.21,42.71 v1(10.21,92.6)
/Audio/CPU/RESET: length 115.5
  Top w0.102: v1(70.76,67.5) 70.81,67.55 v1(94.33,67.55) ; v1(16.71,49.16) v1(22.17,49.16) ; v1(57.56,56.32) v1(22.17,56.32) ; v1(57.56,61.46) v1(70.76,61.46)
  Bottom w0.102: 15.29,41.95 14.78,41.44 ; 14.78,41.44 13.56,40.22 13.56,37.86 U17.38 ; 14.78,41.44 16.71,43.37 v1(16.71,49.16) ; U16.38 94.33,65.04 v1(94.33,67.55) ; v1(70.76,67.5) v1(70.76,61.46) ; v1(57.56,61.46) v1(57.56,56.32) ; v1(22.17,49.16) v1(22.17,56.32)
/Audio/CPU/SPI_CLK: length 60.6
  Top w0.102: U2.3 v1(30.68,59.28) ; v1(28.12,19.39) 20.42,19.39 19.84,19.98 19.86,20 U17.15
  Bottom w0.102: v1(28.12,19.39) 28.14,19.42 28.14,38.88 28.78,39.51 28.78,54.88 30.68,56.78 v1(30.68,59.28)
/Audio/CPU/SPI_MOSI: length 39.4
  Top w0.102: U2.2 v1(30.05,59.93) ; U17.30 22.73,36.54 23.93,37.73 v1(27.63,37.73)
  Bottom w0.102: v1(27.63,37.73) 27.58,37.78 27.58,39.13 28.4,39.94 28.4,55.26 30.05,56.91 v1(30.05,59.93)
/Audio/CPU/~{AS}: length 51.6
  Top w0.102: v1(82.29,26.05) v1(87.37,26.05)
  Bottom w0.102: U11.31 87.37,22.91 v1(87.37,26.05) ; U16.7 81.63,65.04 81.63,52.36 80.97,51.7 80.97,46.32 82.24,45.05 82.24,26.1 v1(82.29,26.05)
/Audio/CPU/~{CS_DUART}: length 108.3
  Top w0.102: 31.85,63.79 32.26,63.39 50.7,63.39 53.29,60.8 76.3,60.8 77.11,59.98 81.02,59.98 82.32,58.69 U16.14 ; 31.85,63.79 28.07,67.58 12.78,67.58 11.89,66.69 v1(10.87,66.69) ; 31.85,63.79 28.95,66.69
  Bottom w0.102: v1(10.87,66.69) 10.87,64.15 10.74,64.02 10.74,41.72 9.7,40.68 U17.39
/Audio/CPU/~{CS_MSM_L}: length 85.5
  Top w0.102: U7.27 24.97,84.98 26.26,86.27 39.95,86.27 42.44,83.78 46.86,83.78 47.42,84.34 64.84,84.34 66.57,82.61 v1(89.61,82.61)
  Bottom w0.102: U16.44 90.52,76.31 89.61,77.23 v1(89.61,82.61)
/Audio/CPU/~{CS_MSM_R}: length 66.7
  Top w0.102: U6.27 47.19,84.98 47.45,84.72 65.15,84.72 66.55,83.33 v1(92.91,83.33)
  Bottom w0.102: U16.43 91.77,67.6 91.77,76.87 92.12,77.23 92.12,81.5 92.91,82.28 v1(92.91,83.33)
/Audio/CPU/~{CS_ROM}: length 67.5
  Top w0.102: U15.20 45.82,32.35 45.26,32.91 v1(43.94,32.91) ; U16.13 80.34,58.71 78.48,58.71 78.23,58.46 73.1,58.46 72.29,59.27 v1(71.27,59.27) ; v1(43.94,54.95) 48.41,54.95 49.48,53.89 v1(71.27,53.89)
  Bottom w0.102: v1(71.27,53.89) v1(71.27,59.27) ; v1(43.94,32.91) v1(43.94,54.95)
/Audio/CPU/~{CS_SRAM}: length 47.8
  Top w0.102: U14.22 68.38,32.35 69.19,33.16 v1(70.46,33.16) ; v1(71.88,63.59) 75.79,63.59 76.86,62.52 80.92,62.52 82.22,61.23 U16.12
  Bottom w0.102: v1(71.88,63.59) 71.88,61.3 70.46,59.88 v1(70.46,33.16)
/Audio/CPU/~{CS_YM2151}: length 44.1
  Top w0.102: U16.27 94.33,52.34 100.91,52.34 102.08,51.17 123.8,51.17 v1(123.82,51.19)
  Bottom w0.102: 123.84,63.53 123.84,51.21 v1(123.82,51.19)
/Audio/CPU/~{DS}: length 51.1
  Top w0.102: v1(91.69,64.25) v1(84.63,64.25)
  Bottom w0.102: U11.32 88.6,36.78 89.81,37.99 89.81,44.18 91.69,46.06 v1(91.69,64.25) ; v1(84.63,64.25) 84.63,64.58 U16.8
/Audio/CPU/~{DTACK}: length 92.5
  Top w0.102: v1(83.92,73.65) 89.61,73.65 90.42,72.83 v1(99.97,72.83) ; v1(93.06,42.76) v1(99.97,42.76) ; v1(94.97,17.95) v1(89.36,17.95)
  Bottom w0.102: v1(94.97,17.95) 93.68,19.23 U11.34 92.4,25.5 92.4,40.12 92.96,40.68 92.96,42.1 93.06,42.2 v1(93.06,42.76) ; v1(99.97,42.76) v1(99.97,72.83) ; U16.6 82.9,70.96 83.92,71.97 v1(83.92,73.65) ; v1(89.36,17.95) 89.37,17.93 RN2.7
/Audio/CPU/~{HALT}: length 73.9
  Top w0.102: v1(97.13,31.84) U11.40 ; v1(96.09,13.75) 96.06,13.78 81.99,13.78 81.75,14.02 RN2.4
  Bottom w0.102: U11.40 95.22,30.3 95.22,18.71 96.11,17.82 96.11,13.78 v1(96.09,13.75) ; v1(97.13,31.84) 97.13,51.85 96.85,52.13 96.85,65.01 U16.39
/Audio/CPU/~{INT_HOST}: length 4.7
  Top w0.102: U13.10 66.12,67.2 RN3.2
/Audio/CPU/~{INT_MSM_L}: length 84.2
  Top w0.102: v1(18.26,88.99) 15.95,88.99 14.88,90.06 U7.12 ; v1(18.26,76.09) v1(55.65,76.09) ; RN3.6 64.43,77.37 63.16,78.64 59.73,78.64 55.94,82.44 v1(55.65,82.44) U13.1
  Bottom w0.102: v1(18.26,88.99) v1(18.26,76.09) ; v1(55.65,76.09) v1(55.65,82.44)
/Audio/CPU/~{INT_MSM_R}: length 52.3
  Top w0.102: v1(63.73,87.13) 63.09,87.77 47.88,87.77 46.94,88.71 42.21,88.71 40.87,90.06 U6.12 ; U13.13 v1(63.75,74.82) 66.12,74.82 RN3.5
  Bottom w0.102: v1(63.73,87.13) 63.73,74.84 v1(63.75,74.82)
/Audio/CPU/~{INT_SER}: length 79.6
  Top w0.102: v1(42.62,52.06) 38.66,52.06 37.9,51.3 29.64,51.3 v1(27.76,49.42) ; RN3.3 66.12,69.74 U13.11 59.33,69.74 59.28,69.69 58.01,70.96 52.53,70.96 52.02,70.45 47.09,70.45 46.53,71.01 v1(42.62,71.01)
  Bottom w0.102: v1(27.76,49.42) 27.76,49.03 25.35,46.62 25.35,40.63 23.67,38.95 23.67,32.73 U17.24 ; v1(42.62,52.06) v1(42.62,71.01)
/Audio/CPU/~{INT_YM2151}: length 83.6
  Top w0.102: v1(116.81,72.3) 116.8,72.29 RN3.4 66.12,72.28 U13.12 ; v1(116.81,65.32) 136.07,65.32 136.53,64.85 U3.2
  Bottom w0.102: v1(116.81,72.3) v1(116.81,65.32)
/Audio/CPU/~{IPL0}: length 51.5
  Top w0.102: v1(68.32,43.98) 86,43.98 86.36,44.34 v1(91.44,44.34) ; U13.9 63.96,62.12 v1(67.87,62.12)
  Bottom w0.102: v1(68.32,43.98) 68.32,54.34 67.87,54.8 v1(67.87,62.12) ; U11.47 91.14,43.69 91.44,43.98 v1(91.44,44.34)
/Audio/CPU/~{IPL1}: length 74.5
  Top w0.102: v1(78.94,69.18) 72.19,69.18 70.36,71.01 60.15,71.01 v1(59.43,71.72) ; U13.7 v1(59.43,67.2) ; U11.45 v1(80.31,36.92)
  Bottom w0.102: v1(78.94,69.18) 78.94,50.46 80.21,49.19 80.21,45.45 80.01,45.25 80.01,38.49 80.31,38.19 v1(80.31,36.92) ; v1(59.43,67.2) v1(59.43,71.72)
